# Altium PCB PCBfly.PcbDoc
Units mm, origin at the board's own origin, x right, y up, seen from the top; angles counter-clockwise.
Board outline 77 x 77 mm, 2 copper layers (Top Layer, Bottom Layer); 68 components, 50 nets, 250 pads, 170 vias.
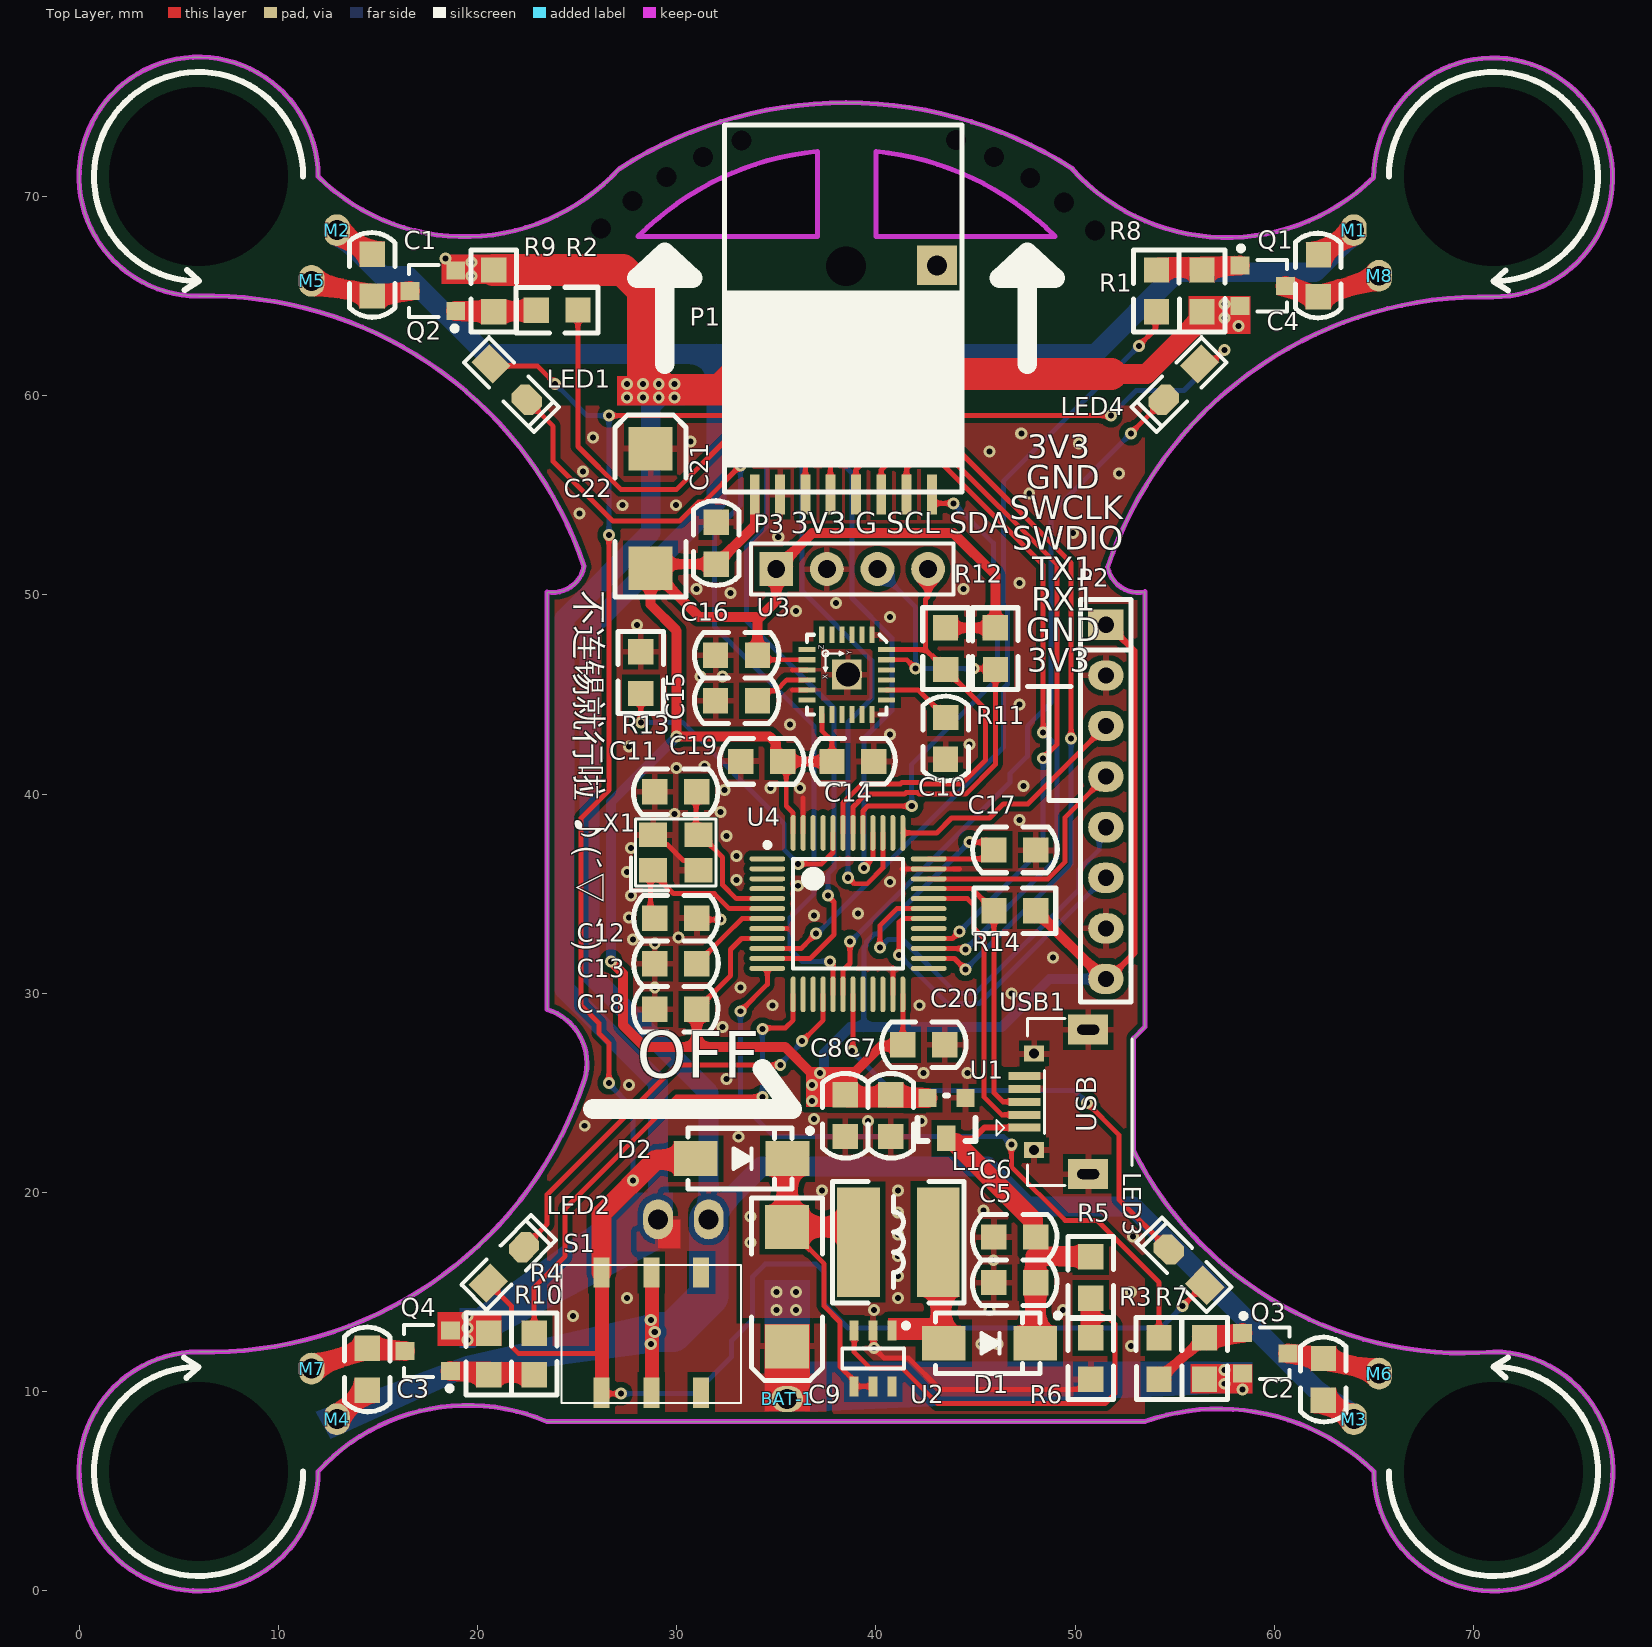
[diagram p0: Top Layer view]
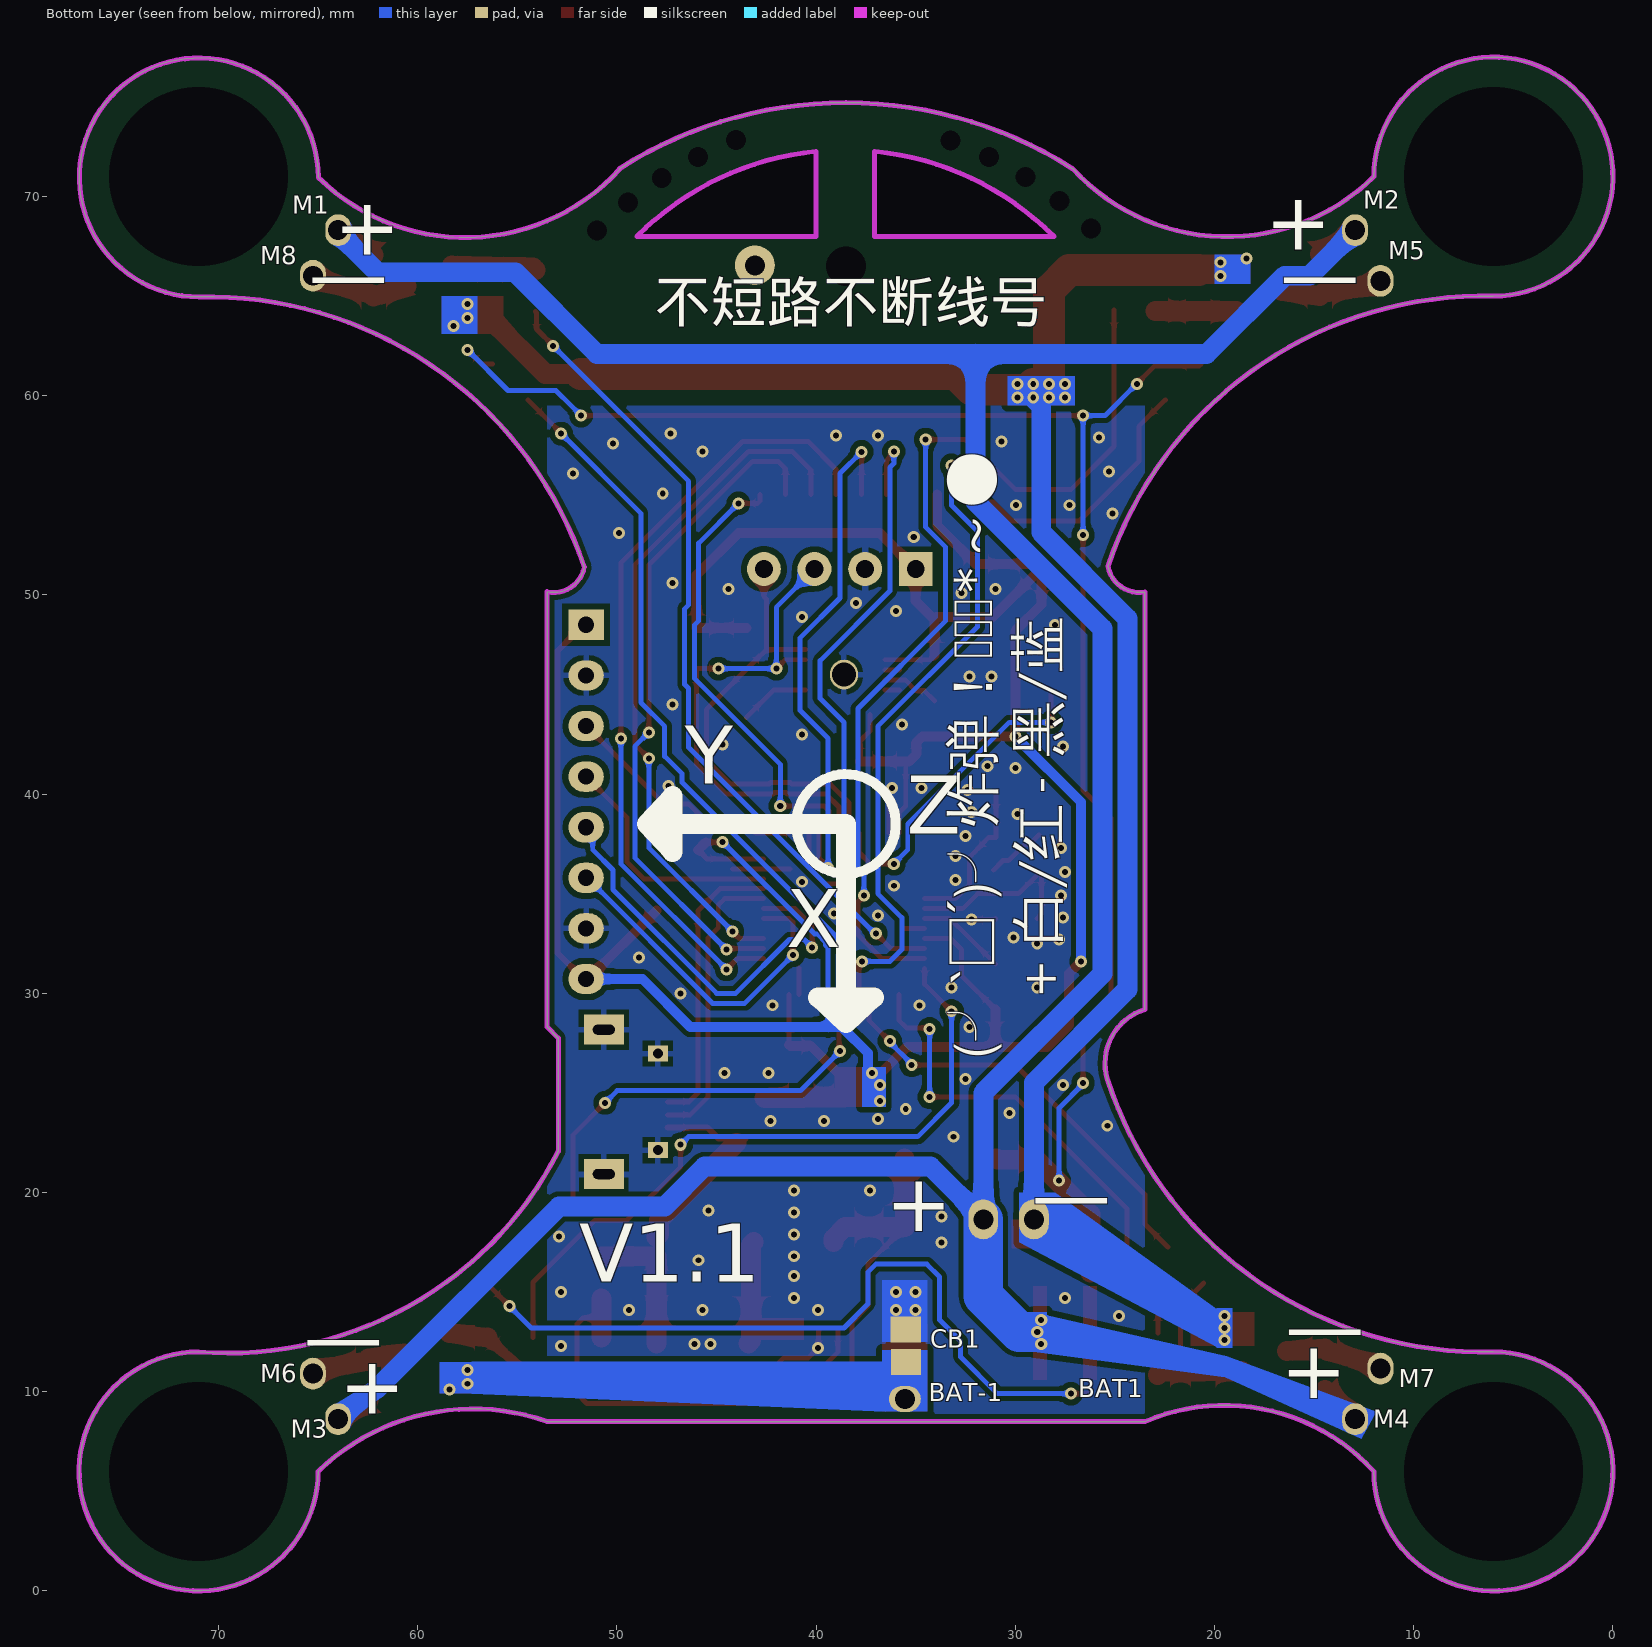
[diagram p1: Bottom Layer view, seen from below]

## Layer stack, top to bottom
Top Solder: solder mask 0.0102, Solder Resist, Dk 3.5
Top Layer: signal copper 0.0356
Dielectric 1: dielectric 0.32, FR-4, Dk 4.8
Bottom Layer: signal copper 0.0356
Bottom Solder: solder mask 0.0102, Solder Resist, Dk 3.5

## Board outline
12,6 cw(c19.511,-0.852) 23.5,8.5 53.5,8.5 cw(c57.231,-2.038) 65,6 ccw(c71,6) 71,12 cw(c69.511,30.556) 52.943,22.069 52.943,27.748 53.5,28.305 53.5,50.159 cw(c53.168,51.678) 51.639,51.395 cw(c70.506,45.063) 70.989,64.959 ccw(c70.989,70.959) 64.989,70.959 cw(c57.622,78.436) 49.867,71.362 49.878,71.403 ccw(c38.5,53.5) 27.122,71.403 cw(c19.367,78.478) 12,71 ccw(c6,71) 6,65 cw(c6.483,45.104) 25.35,51.436 cw(c23.771,51.728) 23.5,50.145 23.5,29.188 cw(c22.665,26.482) 25.378,25.668 cw(c6.488,31.879) 6,12 ccw(c6,6)
cut-out: 28.059,68 cw(c38.559,57.5) 37.059,72.273 37.059,68
cut-out: 40,68 49,68 ccw(c38.5,57.5) 40,72.273
cut-out: 37.059,68 37.059,72.276 37.032,72.276 ccw(c38.5,57.5) 28,68
cut-out: 40,72.273 cw(c38.5,57.5) 49,68 40,68

## Design rules (kind name [scope] priority, off if disabled: settings)
Clearance [All] p1: gap=0.3 ignorepadtopadclearanceinfootprint=TRUE except(0: Arc-Text Arc-Hole Track-Text Track-Hole SMDPad-Text SMDPad-Hole THPad-Text THPad-Hole Via-Text Via-Hole Fill-Text Fill-Hole Poly-Text Poly-Hole Region-Text Region-Hole Text-Text Text-Hole; 0.25: Arc-Arc Arc-Track Arc-SMDPad Arc-THPad Arc-Via Arc-Fill Arc-Poly Arc-Region Track-Track Track-SMDPad Track-THPad Track-Via Track-Fill Track-Poly Track-Region)
ComponentClearance [All] p1 off: gap=0.254 collisioncheckmode=3 verticalgap=0.254 showdistances=FALSE
Height [All] p1 off: minheight=0 maxheight=25.4 prefheight=12.7
PasteMaskExpansion [All] p1 off: expansion=0
PlaneClearance [All] p1 off: clearance=0.508
PlaneConnect [All] p1 off: planeconnectstyle=Relief reliefexpansion=0.508 reliefentries=4 reliefconductorwidth=0.254 reliefairgap=0.254
PolygonConnect [All] p1: thpad.connectstyle=Relief thpad.reliefconductorwidth=0.3 thpad.reliefentries=4 thpad.polygonreliefangle="90 Angle" thpad.airgapwidth=0.25 smdpad.connectstyle=Relief smdpad.reliefconductorwidth=0.3 smdpad.reliefentries=4 smdpad.polygonreliefangle="90 Angle" smdpad.airgapwidth=0.25 via.connectstyle=Direct via.reliefconductorwidth=0.254 via.reliefentries=4 via.polygonreliefangle="90 Angle" via.airgapwidth=0.254
RoutingCorners [All] p1: cornerstyle=45-Degree minsetback=2.5 maxsetback=2.5
RoutingVias [All] p1: holewidth=0.3 width=0.6 viastyle="Through Hole" minholewidth=0.3 minwidth=0.6 maxholewidth=1 maxwidth=2
SolderMaskExpansion [All] p1 off: expansion=0.102 istentingtop=FALSE
Width [All] p1: maxlimit=10 minlimit=0.25 preferedwidth=0.25
24 further rules are at their usual default settings.

## Components (designator, comment, footprint, x,y, rotation, side; value= is the part's Value field where it differs from the comment)
BAT1 "Header 2" HDR2 31.607,18.653 r270 bottom
BAT-1 "Header 1" 电池接口 35.544,9.636 r90 top
C1 "100nF" 0805C 14.717,66.058 r90 top
C2 "100nF" 0805C 62.467,10.618 r270 top
C3 "100nF" 0805C 14.461,11.126 r270 top
C4 "100nF" 0805C 62.214,66.024 r90 top
C5 "100nF" 0805C 46.974,15.478 r180 top
C6 "10uF" 0805C 46.974,17.764 r180 top
C7 "10uF" 0805C 40.751,23.86 r270 top
C8 "100nF" 0805C 38.465,23.86 r270 top
C9 "10uF" CTan(6032) 35.544,15.272 r90 top
C10 "2.2nF" 0805C 43.5,42.8 r270 top
C11 "15pF" 0805C 29.956,40.116 r180 top
C12 "15pF" 0805C 29.956,33.766 r0 top
C13 "100nF" 0805C 29.956,31.48 r0 top
C14 "100nF" 0805C 38.846,41.64 r0 top
C15 "100nF" 0805C 33.004,44.688 r0 top
C16 "10nF" 0805C 33.004,46.974 r0 top
C17 "100nF" 0805C 46.974,37.195 r0 top
C18 "100nF" 0805C 29.956,29.194 r180 top
C19 "100nF" 0805C 34.274,41.64 r180 top
C20 "100nF" 0805C 42.402,27.416 r0 top
C21 "100nF" 0805C 31.989,52.596 r90 top
C22 "10uF" CTan(6032) 28.686,54.34 r270 top
CB1 "Circuit Breaker" JUMP 35.5,12.3 r270 bottom
D1 "SS34" SMA 45.704,12.43 r0 top
D2 "SS34" SMA 33.258,21.701 r0 top
L1 "10uH" CD53 41.132,17.51 r0 top
LED1 "LED" "LED 0805W" 21.574,60.69 r315 top
LED2 "LED" "LED 0805W" 21.438,16.358 r45 top
LED3 "LED" "LED 0805W" 55.61,16.24 r135 top
LED4 "LED" "LED 0805W" 55.356,60.69 r225 top
M1 "Header 1" 电池接口 63.992,68.31 r180 top
M2 "Header 1" 电池接口 12.938,68.31 r180 top
M3 "Header 1" 电池接口 63.992,8.62 r180 top
M4 "Header 1" 电池接口 12.938,8.62 r180 top
M5 "Header 1" 电池接口 11.668,65.77 r180 top
M6 "Header 1" 电池接口 65.262,10.906 r180 top
M7 "Header 1" 电池接口 11.668,11.16 r180 top
M8 "Header 1" 电池接口 65.262,66.024 r180 top
P1 "NRF24L01模块" 2.4G 38.5,63.5 r90 top
P2 "Header 8" HDR8 51.546,48.498 r0 top
P3 "Header 4" HDR2.54-LI-4P 35,51.3 r0 top
Q1 "2302" NMOS 59.42,65.516 r270 top
Q2 "2302" NMOS 17.764,65.262 r90 top
Q3 "2302" NMOS 59.547,11.922 r270 top
Q4 "2302" NMOS 17.51,12.049 r90 top
R1 "100R" 0805R 54.086,65.262 r270 top
R2 "100R" 0805R 24,64.3 r0 top
R3 "100R" 0805R 54.213,11.668 r90 top
R4 "100R" 0805R 22.847,11.893 r90 top
R5 "22k" 0805R 50.784,15.732 r270 top
R6 "3k" 0805R 50.784,11.668 r90 top
R7 "10K" 0805R 56.499,11.668 r90 top
R8 "10K" 0805R 56.372,65.262 r90 top
R9 "10K" 0805R 20.812,65.262 r270 top
R10 "10K" 0805R 20.561,11.893 r270 top
R11 "4k7" 0805R 46,47.3 r270 top
R12 "4k7" 0805R 43.5,47.3 r270 top
R13 "10k" 0805R 28.2,46.1 r90 top
R14 "1k" 0805R 46.974,34.147 r180 top
S1 "SW-SPDT" SWITCH 28.726,12.963 r180 top
U1 "662K" LDO 43.545,23.733 r90 top
U2 "SX1308" SOT23-6L 39.862,11.668 r180 top
U3 "MPU6050" QFN24 38.537,45.997 r90 top
U4 "STM32F103C8T6" LQFP48 38.6,34 r0 top
USB1 "USB" USB_micro 50.657,24.553 r90 top
X1 "8MHz" XTAL_3225-4P 29.956,37.068 r0 top

## Footprints (in the part's own frame and the unit in brackets; to place one, negate y for a bottom-side part, rotate by r counter-clockwise, add the part's x,y. Pads: shape width x height; smd on the part's side, far side on the other; paste and mask are expansions set on the pad)
2.4G [mm]
  rect 2x2 smd: 0(3.048,-4.572)
  rect 2x0.5 smd: 1(-8.46,4.581) 2(-8.46,3.311) 3(-8.46,2.041) 4(-8.46,0.771) 5(-8.46,-0.499) 6(-8.46,-1.769) 7(-8.46,-3.039) 8(-8.46,-4.309)
  silkscreen extent -8.33,-5.84 10.08,6.1, body extent -8.51,-5.82 9.49,6.18, height 0.8
0805C [mm]
  rect 1.27x1.27 smd: 1(-1.05,0.001) 2(1.05,-0.001)
  silkscreen extent -2.12,-1.14 2.13,1.14, body extent -1,-0.62 1,0.63, height 0.77
0805R [mm] "1/8W"
  rect 1.27x1.27 smd: 1(-1.045,-0.003) 2(1.045,0.003)
  silkscreen extent -2.06,-1.15 2.05,1.15, body extent -1.01,-0.62 0.99,0.64, height 0.55
CD53 [mm] "5.8*5.2*3.5mm（长宽高）"
  rect 2.15x5.5 smd: 1(-2,0) 2(2,0)
  silkscreen extent -3.3,-3.05 3.3,3.05, body extent -2.87,-2.5 2.87,2.5, height 3.6
CTan(6032) [mm] "长6.0mm，宽3.2mm，厚2.5mm"
  rect 2.2x2.2 smd: 1(-3,0) 2(3,0)
  silkscreen extent -4.7,-1.78 4.44,1.78, body extent -3,-1.6 3,1.6, height 2.5
HDR2 [mm]
  oval 2x1.5 hole 1: 1(0,0) 2(0,2.54)
  body extent -0.36,-1.28 9.99,3.8, height 2.54
HDR2.54-LI-4P [mm] "排针，4脚"
  rect 1.7x1.7 hole 0.9: 1(0,0)
  round 1.7 hole 0.9: 2(2.54,0) 3(5.08,0) 4(7.62,0)
  silkscreen extent -1.27,-1.27 8.89,1.27, body extent -1.27,-1.27 8.89,1.27, height 8.5
HDR8 [mil]
  rect 70x60 hole 32: 1(0,0)
  oval 70x60 hole 32: 2(0,-100) 3(0,-200) 4(0,-300) 5(0,-400) 6(0,-500) 7(0,-600) 8(0,-700)
  silkscreen extent -50,-745 50,50, body extent -50,-750 50,50, height 336
JUMP [mm]
  rect 1.3x1.5 smd: 1(0.814,0.004)
  rect 1.3x1.524 smd: 2(-0.814,-0.003)
LDO [mil]
  rect 36x36 smd: 1(40,-37.5) 2(40,37.5)
  rect 50x36 smd: 3(-40,0.5)
  silkscreen extent -45,-58 45,58, body extent -45,-57 53,58, height 39
"LED 0805W" [mil] "白色0805LED"
  rect 60x50 smd: 1(-50,0)
  oct 60x50 smd: 2(50,0)
  silkscreen extent -90,-35 105,35, body extent -39,-25 39,25, height 32
LQFP48 [mm]
  oval 1.8x0.25 smd: 1(-4.05,2.75) 2(-4.05,2.25) 3(-4.05,1.75) 4(-4.05,1.25) 5(-4.05,0.75) 6(-4.05,0.25) 7(-4.05,-0.25) 8(-4.05,-0.75) 9(-4.05,-1.25) 10(-4.05,-1.75) 11(-4.05,-2.25) 12(-4.05,-2.75) 25(4.05,-2.75) 26(4.05,-2.25) 27(4.05,-1.75) 28(4.05,-1.25) 29(4.05,-0.75) 30(4.05,-0.25) 31(4.05,0.25) 32(4.05,0.75) 33(4.05,1.25) 34(4.05,1.75) 35(4.05,2.25) 36(4.05,2.75)
  oval 0.25x1.8 smd: 13(-2.75,-4.05) 14(-2.25,-4.05) 15(-1.75,-4.05) 16(-1.25,-4.05) 17(-0.75,-4.05) 18(-0.25,-4.05) 19(0.25,-4.05) 20(0.75,-4.05) 21(1.25,-4.05) 22(1.75,-4.05) 23(2.25,-4.05) 24(2.75,-4.05) 37(2.75,4.05) 38(2.25,4.05) 39(1.75,4.05) 40(1.25,4.05) 41(0.75,4.05) 42(0.25,4.05) 43(-0.25,4.05) 44(-0.75,4.05) 45(-1.25,4.05) 46(-1.75,4.05) 47(-2.25,4.05) 48(-2.75,4.05)
  silkscreen extent -4.17,-2.75 2.75,3.57, body extent -4.49,-4.51 4.52,4.5, height 1.45
NMOS [mm]
  rect 0.9x0.95 smd: 1(-1.016,-1.143) 2(0,1.143) 3(1.016,-1.143)
  silkscreen extent -2.01,-1.22 1.29,1.21, body extent -1.44,-1.25 1.48,1.23, height 1
QFN24 [mil]
  rect 33.46x10 smd: 1(78.87,-49.87) 2(78.87,-30.03) 3(78.87,-10.19) 4(78.87,9.66) 5(78.87,29.5) 6(78.87,49.34) 13(-78.87,49.34) 14(-78.87,29.5) 15(-78.87,9.66) 16(-78.87,-10.19) 17(-78.87,-30.03) 18(-78.87,-49.87)
  rect 10x33.46 smd: 7(49.34,78.87) 8(29.5,78.87) 9(9.66,78.87) 10(-10.19,78.87) 11(-30.03,78.87) 12(-49.87,78.87) 19(-49.87,-78.87) 20(-30.03,-78.87) 21(-10.19,-78.87) 22(9.66,-78.87) 23(29.5,-78.87) 24(49.34,-78.87)
  rect 59.06x59.06 smd: 18(0,0)
  silkscreen extent -79,-79 79,79, body extent -79,-79 79,79, height 35
SMA [mm] "4.5x2.6*2.2mm（长宽高，不包括引脚）"
  rect 2.2x1.75 smd: 1(-2.3,0) 2(2.3,0)
  silkscreen extent -2.7,-1.52 3.56,1.52, body extent -2.53,-1.3 2.58,1.3, height 2.15
SOT23-6L [mm] "3x1.6x1.1mm(长宽高)"
  rect 0.45x1 smd: 1(-0.95,-1.397) 2(0,-1.397) 3(0.95,-1.397) 4(0.95,1.397) 5(0,1.397) 6(-0.95,1.397)
  silkscreen extent -1.78,-1.78 1.55,0.51, body extent -1.5,-1.4 1.5,1.4, height 1.15
SWITCH [mil]
  rect 31.5x60 smd: 1(-98.43,119) 1(-98.43,-119) 2(0,119) 2(0,-119) 3(98.43,119) 3(98.43,-119)
  silkscreen extent -177,-134 178,139, body extent -178,-134 179,138, height 215
USB_micro [mm] "micro型USB ，5.7*7.8*2.5mm"
  rect 0.4x1.6 smd mask+0.102: 1(-1.3,3.2) 2(-0.65,3.2) 3(0,3.2) 4(0.65,3.2) 5(1.3,3.2)
  rect 1.5x2 hole 0.5 slot 1.1 at 90 deg: 5(-3.625,0) 5(3.625,0)
  rect 0.8x1 hole 0.5: 5(-2.425,2.71) 5(2.425,2.71)
  silkscreen extent -4.19,-2.2 4.19,4.6, body extent -4,-2.71 4,2.89, height 2.8
XTAL_3225-4P [mil] "3.2*2.5*0.7mm(长宽高)"
  rect 56x48 smd: 1(-45,-35) 2(-45,35) 2(45,-35) 3(45,35)
  silkscreen extent -89,-75 80,66, body extent -63,-49 63,49, height 28
电池接口 [mm]
  oval 1.3x1.6 hole 1: 1(0,0)

## Part data
BAT1: "Header, 2-Pin", LatestRevisionDate=17-Jul-2002, LatestRevisionNote="Re-released for DXP Platform.", Publisher="Altium Limited"
C1 C2 C3 C4 C5 C6 C7 C8 C10 C11 C12 C13 C14 C15 C16 C17 C18 C19 C20 C21: library part Cap_MLCC, "Capacitor"
C9 C22: library part "Cap Tan A", "Capacitor", Voltage=16V, Published=8-Jun-2000, Publisher="Altium Limited", Revision="July-2002: Re-released for DXP Platform."
D1 D2: library part DIODE
L1: library part "Inductor Chip", "Inductor", Published=8-Jun-2000, Publisher="Altium Limited", Revision="July-2002: Re-released for DXP Platform."
P1 P2: "Header, 8-Pin", LatestRevisionDate=17-Jul-2002, LatestRevisionNote="Re-released for DXP Platform.", Publisher="Altium Limited"
P3: "Header, 4-Pin", LatestRevisionDate=17-Jul-2002, LatestRevisionNote="Re-released for DXP Platform.", Publisher="Altium Limited"
Q1 Q2 Q3 Q4: library part N_MOS, "N-Channel Power MOSFET"
R1 R2 R3 R4 R5 R6 R7 R8 R9 R10 R11 R12 R13 R14: library part Res, "Resistor", LatestRevisionDate=17-Jul-2002, LatestRevisionNote="Re-released for DXP Platform.", PackageDescription="Axial Device, Thru-Hole; 2 Leads; 0.3 in Pin Spacing", PackageReference=0603_R, Published=8-Jun-2000, Publisher="Altium Limited"
S1: "SPDT Subminiature Toggle Switch, Right Angle Mounting, Vertical Actuation", ComponentLink1Description="Manufacturer Link", ComponentLink1URL=http://www.apem.com, DatasheetVersion=05-Dec-2000, LatestRevisionDate=17-Dec-2003, LatestRevisionNote="Schematic revised, PCB Footprint replaced.", PackageDescription="Switch; 4 Leads", PackageReference=TL36WW15050, Published=24-Mar-1999, Publisher="Altium Limited"
U1: library part LDO, "LDO"
X1: library part XTAL_SMT
CB1: LatestRevisionDate=17-Jul-2002, LatestRevisionNote="Re-released for DXP Platform.", PackageReference=SPST-2, Published=24-Mar-1999, Publisher="Altium Limited"

## Free pads (board coordinates)
  round 0 hole 9 unplated: 0(6,6) 0(6,71) 0(71,6) 0(71,71)
  round 0 hole 2 unplated: 0(38.5,66.5)
  round 2 hole 1: 0(43.072,66.548)
  oval 1.4x1.5 hole 1.2: 3(38.6,46)
  round 0 hole 1 unplated: 10(33.253,72.807) 11(31.326,71.989) 12(29.495,70.974) 13(27.78,69.773) 14(26.2,68.4) 15(51,68.3) 16(49.444,69.701) 17(47.751,70.931) 18(45.938,71.978) 19(44.025,72.829)

## Via types
v1: diameter 0.6, hole 0.3, Top Layer to Bottom Layer, tented both sides, 144 vias
v2: diameter 0.61, hole 0.305, Top Layer to Bottom Layer, tented both sides, 26 vias

## Nets (pads, with @x,y where several pads share a name; then routed paths per layer and width w, separated by ;. In a path a pad name is that pad's centre, name@x,y a point inside that pad or via, vN(x,y) a via of type N, cw(c..) or ccw(c..) an arc to the next point about the centre after c; other vN are vias at no path point)
3V3: C7.1 C8.1 C14.1 C16.2 C17.1 C18.1 C19.1 C20.1 C21.1 C22.2 P1.1 P2.1 P2.8 P3.1 R11.1 R12.1 R14.1 U1.2 U3.8 U3.13 U4.9 U4.24 U4.36 U4.48 | length 167.1
  Top Layer w0.25: C18.1 32.7,30.886 32.7,32.2 33.25,32.75 U4.9 ; C16.2 34.281,46.746 U3.8 ; C19.1 35.5,41.463 35.5,39.4 35.85,39.05 U4.48 ; U3.13 37.284,43.176 37.796,42.665 C14.1 ; U4.24 41.35,27.419 C20.1 ; U4.36 45.477,36.75 C17.1 ; v1@44.719,37.581 C17.1@45.539,37.581
  Top Layer w0.3: P2.8 51.673,30.718 52.973,32.018 52.973,47.198 51.673,48.498 P2.1
  Top Layer w0.5: v1(26.7,31.6) 27.3,31 27.3,28.4 28.4,27.3 31.006,27.3 ; C18.1 31.006,27.3 ; P1.1 33.919,53.477 C21.1 28.892,51.546 C22.2 ; 33.969,48.9 31.126,48.9 C22.2 ; C16.2 34.054,48.754 35,49.7 P3.1 36.8,53.1 43.9,53.1 45.997,51.003 R11.1 R12.1 ; v2(36.8,24.6) v2(36.8,25.4) 36.8,26 36.75,26.05 36.7,26.05 35.45,27.3 31.006,27.3 ; C14.1 C14.1 C19.1 C19.1 34.962,42.001 34.962,42.607 34.669,42.9 v1(30,42.9) 30,48.2 28.686,49.514 C22.2 ; C8.1@38.484,24.928 38.804,25.248 38.804,25.904 40.26,27.36 41.294,27.36 C20.1 ; v1(44.7,37.6) v1@44.719,37.581 ; C17.1@45.539,37.581 C17.1 ; R14.1 51.451,30.718 P2.8
  Top Layer w1: C8.1@38.484,24.928 C8.1 38.601,24.775 40.601,24.775 40.628,24.749 U1.2
  Bottom Layer w0.25: 39.4,28.3 39.4,32.3 39.525,32.425 39.525,32.58 39.92,32.975 40.075,32.975 v1(44.7,37.6)
  Bottom Layer w0.5: v1(26.7,31.6) 26.7,39.6 v1(30,42.9) ; v2(37.2,26) 37.35,26 37.4,26.05 37.4,27 38.7,28.3 39.4,28.3 46.3,28.3 48.718,30.718 P2.8
5V: C5.1 C6.1 D1.2 R5.1 U1.3 USB1.1 | length 17.7
  Top Layer w0.3: U1.3 44.2,22.717 44.906,22.717 45.442,23.253 USB1.1
  Top Layer w1: 44,22.5 47.889,18.611 47.889,17.898 C6.1 ; D1.2 48.014,12.44 48.014,16.8 50.759,16.8 R5.1
B10: U4.21
B11: U4.22
BOOT0: R13.1 U4.44 | length 16
  Top Layer w0.25: v1(28.2,43.6) 28.2,45.052 R13.1 ; v2(36.1,36.5) 37.282,36.5 37.85,37.068 U4.44
  Bottom Layer w0.25: v1(28.2,43.6) 30.3,43.6 35.4,38.5 35.4,37.2 v2(36.1,36.5)
BOOT1: U4.20
CE: P1.3 U4.39 | length 29.7
  Top Layer w0.25: v1(36.1,57.2) 36.1,57.105 36.459,56.746 P1.3 ; v2(38.6,35.8) 38.626,35.8 38.926,35.5 39.561,35.5 40.35,36.289 U4.39
  Bottom Layer w0.25: v1(36.1,57.2) 36.1,56.6 36.3,56.4 36.3,50.2 39.8,46.7 39.8,44.8 38.6,43.6 v2(38.6,35.8)
CSN: P1.4 U4.40 | length 26.8
  Top Layer w0.25: v1(37.715,57.185) 37.715,55.055 P1.4 ; v2(39.4,36.3) 39.4,36.325 39.85,36.775 U4.40
  Bottom Layer w0.25: v1(37.715,57.185) 38.8,56.1 38.8,49.845 40.8,47.845 40.8,44.2 39.4,42.8 v2(39.4,36.3)
DGND: C5.2 C6.2 C7.2 C8.2 C10.2 C11.2 C12.2 C13.1 C14.2 C15.1 C16.1 C17.2 C18.2 C19.2 C20.2 C21.2 C22.1 CB1.2 P1.2 P2.2 P2.7 P3.2 pad.3 R6.1 R13.2 U1.1 U2.2 U3.1 U3.9 U3.11 U3.18 U4.8 U4.23 U4.35 U4.47 USB1.4 USB1.5 X1.2 | length 25.5
  Top Layer w0.25: X1.2@28.813,37.957 29.298,37.472 29.528,37.472 30.336,36.664 30.614,36.664 X1.2@31.099,36.179 ; C12.2 31.006,33.7 v1(32.2,33.7) ; U4.8 35.532,33.25 ; 35.811,45.236 36.532,45.236 U3.11 ; 35.813,46.242 U3.9 ; U4.47 36.35,39.8 ; U2.2 39.881,13.046 39.881,12.219 v1(39.9,12.2) 40.4,11.7 41.629,11.7 43.216,10.113 50.277,10.113 R6.1 ; U4.23 40.85,31.28 ; 41.3,36.25 U4.35 44.2,36.25
  other v1: 45.3,12.4 24.8,13.8 35,14.1 36,14.1 45.7,14.1 49.4,14.1 27.5,14.7 41.1,14.7 35,15 36,15 52.8,15 41.1,15.8 45.9,16.6 41.1,16.8 33.7,17.5 41.1,17.9 33.7,18.8 41.1,19 45.4,19.1 41.1,20.1 33.1,22.8 25.384,23.352 39.6,23.6 42.3,23.6 36.9,23.7 35.5,24.2 27.6,25.4 32.5,25.7 42.4,26 44.6,26 32.3,28.3 34.8,29.4 42.2,29.4 46.8,30 28.9,30.3 33.2,30.3 48.9,31.8 28.9,32.5 27.8,32.7 30.1,32.8 27.6,33.8 36.9,33.9 39.1,34 27.7,34.9 36.1,35.4 40.7,35.6 33,35.7 27.5,36.1 33,36.9 27.7,37.3 32.5,37.9 47.2,38.7 29.9,39 32.2,39.1 32.4,40.2 34.7,40.3 36.2,40.3 47.4,40.4 30,41.3 31.4,41.4 27.6,42.4 44.7,42.5 40.7,43 35.7,43.5 47.2,44.5 31.2,45.9 32.3,45.9 28,48.5 40.7,48.9 36,49.2 38,49.6 32.7,50.1 31,50.3 44.4,50.3 47.2,50.6 49.9,53.1 25.13,54.086 27.284,54.502 29.972,54.502 47.7,55.1 25.3,56.2 45.7,57.2 30.7,57.7 25.8,57.9 36.9,58 39,58
  other v2: 52.8,12.3 46.1,12.4 39.9,14.1 52.9,17.8 37.3,20.1 30.3,24 35.1,52.9 52.2,56.1 50.2,57.6 47.3,58.1
GND: BAT1.2 BAT-1.1 C9.1 CB1.1 Q1.3 Q2.3 Q3.3 Q4.3 R7.1 R8.1 R9.1 R10.1 | length 86.8
  Top Layer w1: 51.962,61.1 53.6,61.1 56.24,63.74 56.24,64.082 R8.1
  Top Layer w1.6: R9.1 27.293,66.307 28.3,65.3 v1(28.3,60.6) ; v1(29.1,60.6) 29.4,60.3 32.2,60.3 33,61.1 51.8,61.1
  Bottom Layer w1: BAT1.2 29.067,25.511 24.377,30.201 24.377,48.823 28.7,53.146 28.7,59.5 v1(29.1,59.9)
  other v1: 58.4,10.1 57.5,10.4 57.5,11.1 19.5,12.6 19.5,13.2 19.5,13.8 27.5,59.9 28.3,59.9 29.9,59.9 27.5,60.6 29.9,60.6 58.2,63.5 57.5,63.9 57.5,64.6 19.7,66 19.7,66.7 18.4,66.9
IRQ: P1.8 U4.41 | length 23
  Top Layer w0.25: U4.41 39.35,39.15 39.6,39.4 v2(41.8,39.4) ; P1.8 42.809,54.725 42.934,54.6 v1(43.9,54.6)
  Bottom Layer w0.25: v2(41.8,39.4) 41.8,41.5 46.1,45.8 46.1,48.5 45.9,48.7 45.9,52.6 v1(43.9,54.6)
LED1: LED1.2 U4.17 | length 46.8
  Top Layer w0.25: LED1.2 23.8,58.464 23.8,56.7 26.8,53.7 30.142,53.7 31.098,54.657 31.357,54.657 v2(33.2,56.5) ; v1(37.7,31.605) 37.85,31.455 U4.17
  Bottom Layer w0.25: v2(33.2,56.5) 33.2,54.5 31.9,53.2 31.9,48.4 36.9,43.4 36.9,35 35.7,33.8 35.7,32.2 36.295,31.605 v1(37.7,31.605)
LED2: LED2.2 U4.16 | length 22
  Top Layer w0.25: LED2.2 23.5,18.42 23.5,19.9 30,26.4 v1(35.2,26.4) ; v1(36.3,27.6) 37.35,28.65 U4.16
  Bottom Layer w0.25: v1(35.2,26.4) 35.2,26.45 36.3,27.55 v1(36.3,27.6)
LED3: LED3.2 U4.19 | length 24.8
  Top Layer w0.25: v2(38.8,27.1) 38.85,27.15 U4.19 ; v1(50.6,24.5) 52.2,22.9 52.2,19.65 LED3.2
  Bottom Layer w0.25: v2(38.8,27.1) 40.784,25.116 49.984,25.116 v1(50.6,24.5)
LED4: LED4.2 U4.18 | length 36.5
  Top Layer w0.25: U4.18 38.35,31.15 38.7,31.5 v2(38.7,32.6) ; v1(52.8,58.1) 52.8,58.117 54.458,59.775 LED4.2
  Bottom Layer w0.25: v2(38.7,32.6) 38.745,32.6 46.725,40.58 46.725,41.025 47.6,41.9 47.6,43.4 48.8,44.6 48.8,54.1 v1(52.8,58.1)
M1-: C4.1 M8.1 Q1.2 | length 5.1
  Top Layer w1: Q1.2 C4.1 62.348,65.109 65.262,65.874 M8.1
M2-: C1.1 M5.1 Q2.2 | length 5.2
  Top Layer w1: M5.1 11.668,65.62 14.581,65.143 C1.1 Q2.2
M3-: C2.1 M6.1 Q3.2 | length 4.8
  Top Layer w1: Q3.2 C2.1 62.603,11.533 65.262,11.056 M6.1
M4-: C3.1 M7.1 Q4.2 | length 5
  Top Layer w1: M7.1 11.668,11.31 14.327,12.041 C3.1 Q4.2
MISO: P1.7 U4.27 | length 33.8
  Top Layer w0.25: P1.7 41.539,56.339 41.9,56.7 43.2,56.7 48.4,51.5 v1(48.4,43.1) ; U4.27 44.45,32.25 v1(44.5,32.2)
  Bottom Layer w0.25: v1(44.5,32.2) 49.1,36.8 49.1,42.4 v1(48.4,43.1)
MOSI: P1.6 U4.28 | length 34.9
  Top Layer w0.25: P1.6 40.269,56.269 41.2,57.2 43.407,57.2 49.1,51.507 49.1,42.5 v1(48.4,41.8) ; U4.28 43.85,32.75 v1(44.2,33.1)
  Bottom Layer w0.25: v1(44.2,33.1) 48.4,37.3 v1(48.4,41.8)
NetC9_2: C9.2 D2.2 L1.1 U2.4 U2.5 | length 17.8
  Top Layer w0.25: C9.2 37.4,16.416 37.4,14.3 38.2,13.5 38.2,11.258 38.912,10.546 U2.4 U2.5
  Top Layer w1: D2.2 35.551,21.694 35.551,18.279 C9.2 38.557,18.272 39.132,17.697 L1.1
NetC10_1: C10.1 U3.20 | length 3.5
  Top Layer w0.25: U3.20 42.118,45.234 C10.1
NetC13_2: C13.2 U4.7 | length 4.5
  Top Layer w0.25: C13.2 32.41,32.882 33.278,33.75 U4.7
NetC15_2: C15.2 U3.10 | length 2.9
  Top Layer w0.25: C15.2 34.564,45.197 34.99,45.197 35.531,45.738 U3.10
NetD1_1: D1.1 L1.2 U2.1 | length 5.2
  Top Layer w1: L1.2 43.268,17.374 43.268,12.566 D1.1
NetQ1_1: Q1.1 R1.1 R8.2 | length 4.3
  Top Layer w1: R1.1 54.218,66.442 56.365,66.49 Q1.1
NetQ2_1: Q2.1 R2.1 R9.2 | length 4.1
  Top Layer w1: Q2.1 R2.1@22.966,64.246
NetQ3_1: Q3.1 R3.1 R7.2 | length 5
  Top Layer w0.5: R3.1 54.601,11.008 55.469,11.775 cw(c55.8,11.4) 55.474,11.779 56.111,12.328 R7.2
  Top Layer w1: R7.2 Q3.1
NetQ4_1: Q4.1 R4.1 R10.2 | length 4.3
  Top Layer w1: Q4.1 20.565,11.009 22.714,10.983 R4.1
NetR5_2: R5.2 R6.2 U2.3 | length 22.3
  Top Layer w0.25: U2.3 38.912,11.988 39.7,11.2 41.3,11.2 43.1,9.4 51.5,9.4 52,9.9 52,13.4 51.7,13.7 50.784,13.7
  Top Layer w1: R6.2 50.784,12.716 50.784,13.7 50.784,14.684 R5.2
OSC_IN: C11.1 U4.5 X1.3 | length 8
  Top Layer w0.25: C11.1 30.972,40.08 30.972,37.83 31.328,37.83 31.685,37.472 31.685,37.444 32.029,37.1 32.3,36.829 32.3,35.445 32.995,34.75 U4.5
OSC_OUT: C12.1 U4.6 X1.1 | length 9
  Top Layer w0.25: C12.1 28.686,33.987 28.686,36.052 28.788,36.052 29.84,35 31.893,35 32.643,34.25 U4.6
PA4: U4.14
PA5: U4.15
PWM1: R1.2 U4.10 | length 41.2
  Top Layer w0.25: U4.10 36.25,32.25 36.432,32.432 36.432,32.437 v1(36.995,33) ; v1@53.2,62.516 54.037,63.353 54.037,64.165 R1.2
  Bottom Layer w0.25: v1@37.061,33 46.4,42.339 46.4,45.3 46.6,45.5 46.6,49.3 46.4,49.5 46.4,55.7 v1(53.2,62.5)
PWM2: R2.2 U4.11 | length 49.4
  Top Layer w0.25: R2.2 25.045,57.455 27.2,55.3 30,55.3 32.5,57.8 v2(34.5,57.8) ; U4.11 36.705,31.75 37.9,32.945 37.9,33.725 37.9,34.579 37.6,34.879 v1(37.6,34.9)
  Bottom Layer w0.25: v2(34.5,57.8) 34.5,53.4 33.5,52.4 33.5,48.7 37.9,44.3 37.9,36.3 37.6,36 v1(37.6,34.9)
PWM3: R3.2 U4.12 | length 35.5
  Top Layer w0.25: v1(33.2,29.1) 34.55,30.45 U4.12 ; v2(46.8,22.4) 46.8,21.3 49.5,18.6 51.1,18.6 54.21,15.49 R3.2
  Bottom Layer w0.25: v1(33.2,29.1) 33.2,24.5 34.9,22.8 46.4,22.8 v2(46.8,22.4)
PWM4: R4.2 U4.13 | length 25.6
  Top Layer w0.25: R4.2 22.844,15.244 24.4,16.8 24.4,19.2 30,24.8 v1(34.3,24.8) ; v1(34.3,28.2) 34.367,28.267 35.467,28.267 35.85,28.65 U4.13
  Bottom Layer w0.25: v1(34.3,24.8) v1(34.3,28.2)
SCK: P1.5 U4.26 | length 39.8
  Top Layer w0.25: P1.5 38.999,56.299 40.4,57.7 43.7,57.7 49.8,51.6 v1(49.8,42.8) ; U4.26 43.95,31.75 v1(44.5,31.2)
  Bottom Layer w0.25: v1(44.5,31.2) 49.8,36.5 v1(49.8,42.8)
SCL: P3.3 R11.2 U3.23 U4.42 | length 25.6
  Top Layer w0.25: U4.42 38.85,39.357 39.493,40 41.439,40 41.518,40.08 42.082,40.08 42.161,40 44.507,40 46.003,41.495 R11.2 45.957,46.3 v1(44.9,46.3) ; U3.23 41.554,46.746 v1(42,46.3)
  Bottom Layer w0.25: P3.3 42,49.38 v1(42,46.3) v1(44.9,46.3)
SDA: P3.4 R12.2 U3.24 U4.43 | length 22.5
  Top Layer w0.25: U4.43 38.35,39.564 39.286,40.5 41.232,40.5 41.311,40.58 42.289,40.58 42.368,40.5 44.3,40.5 45.503,41.703 45.503,44.255 R12.2 42.507,47.25 ; U3.24 42.507,47.25 ; P3.4 42.62,49.92 42.487,49.787 42.487,47.27 42.507,47.25
SW_BAT: D2.1 LED1.1 LED2.1 LED3.1 LED4.1 S1.3 | length 135.8
  Top Layer w0.25: LED2.1 21.7,14.3 21.7,12.282 22.054,11.928 26.172,11.928 ; LED1.1 20.766,61.498 23.002,61.498 v1(23.9,60.6) ; S1.3@26.226,9.941 26.267,9.9 v1(27.2,9.9) ; v1(26.6,25.5) 26.6,27.5 26.1,28 26.1,28.5 25.204,29.396 25.204,38.804 26.6,40.2 v1(26.6,53) ; v1(26.6,59) v1(51.8,59) ; v1(55.4,14.3) 56.442,15.342 LED3.1 ; LED4.1 56.788,61.588 v1(57.5,62.3)
  Top Layer w1: S1.3@26.226,15.986 26.226,18.926 28.944,21.644 30.901,21.644 D2.1
  Bottom Layer w0.25: v1(23.9,60.6) 25.5,59 v1(26.6,59) v1(26.6,53) ; v1(26.6,25.5) 26.6,25.445 27.8,24.245 v2(27.8,20.6) ; v1(27.2,9.9) 30.9,9.9 32.75,11.75 32.75,12.55 33.8,13.6 33.8,15.759 34.441,16.4 37,16.4 37.4,16 37.4,14.4 38.6,13.2 54.3,13.2 v1(55.4,14.3) ; v1(51.8,59) 52.316,59.516 53.067,60.267 55.467,60.267 v1(57.5,62.3)
SWCLK: P2.3 U4.37 | length 12.4
  Top Layer w0.25: U4.37 43.05,38.05 43.8,38.8 45.7,38.8 46.4,39.5 47.628,39.5 P2.3
SWDIO: P2.4 U4.34 | length 12.3
  Top Layer w0.25: U4.34 48.65,35.75 49.5,36.6 49.5,38.832 P2.4
UART1_RX: P2.5 U4.31 | length 21
  Top Layer w0.25: v1(40.2,32.3) 40.2,33.4 41.05,34.25 U4.31
  Bottom Layer w0.25: v1(40.2,32.3) 40.6,32.7 41.339,32.7 44.039,30 44.993,30 50.2,35.207 50.2,36.187 51.214,37.201 51.214,38.006 P2.5
UART1_TX: P2.6 U4.30 | length 17.1
  Top Layer w0.25: v1(41.167,31.918) 41.17,31.92 41.17,33.57 41.35,33.75 U4.30
  Bottom Layer w0.25: v1(41.167,31.918) 43.585,29.5 45.2,29.5 P2.6@51.498,35.798
USBD+: R14.2 U4.33 USB1.3 | length 14.5
  Top Layer w0.25: U4.33 44.823,35.25 R14.2 ; R14.2@45.929,34.017 45.929,25.007 46.383,24.553 USB1.3
USBD-: U4.32 USB1.2 | length 14.6
  Top Layer w0.25: U4.32 44.593,34.75 44.913,34.43 44.913,33.287 45.421,32.779 45.421,24.803 46.321,23.903 USB1.2
VBAT: BAT1.1 C1.2 C2.2 C3.2 C4.2 M1.1 M2.1 M3.1 M4.1 S1.2 | length 159.2
  Top Layer w1: M4.1 12.938,8.77 14.324,9.94 C3.2 ; M2.1 12.938,68.16 14.584,67.244 C1.2 ; C4.2 62.35,67.209 63.992,68.16 M1.1 ; C2.2 M3.1
  Bottom Layer w1: M2.1 12.938,68.241 13.169,68.01 13.238,68.01 15.224,66.024 16.476,66.024 20.4,62.1 32,62.1 ; BAT1.1 BAT1.1@31.607,18.768 ; M3.1 63.992,8.77 62.056,10.144 52.9,19.3 47.6,19.3 45.6,21.3 34.254,21.3 31.953,18.999 31.838,18.999 BAT1.1@31.607,18.768 ; M1.1 63.992,68.16 62.032,66.2 55.1,66.2 51,62.1 32,62.1 ; BAT1.1@31.607,18.768 31.607,25.003 25.627,30.983 25.627,48.305 32,54.678 32,62.1
  Bottom Layer w2: v2(28.9,13) 29.8,13 31.607,14.807 BAT1.1
  other v2: 28.7,12.4 28.7,13.6
pads on no net: P1.0 S1.1 U2.6 U3.2 U3.3 U3.4 U3.5 U3.6 U3.7 U3.12 U3.14 U3.15 U3.16 U3.17 U3.19 U3.21 U3.22 U4.1 U4.2 U4.3 U4.4 U4.25 U4.29 U4.38 U4.45 U4.46

## Polygon pours and split planes (outlines as drawn)
DGND on Top Layer "DGND_L01_P005" (solid, remove dead copper, pour order 5): 53.5,59.5 23.5,59.5 23.5,8.5 53.5,8.5
GND on Top Layer "GND_L01_P004" (solid, remove dead copper, pour order 4): 37.5,13.4 33,13.4 33,20 28,20 28,9 37.5,9
DGND on Bottom Layer "DGND_L02_P006" (solid, remove dead copper, pour order 6): 53.5,59.5 23.5,59.5 23.5,8.5 53.5,8.5

## Keep-outs
Keep-Out Layer:
  lines w0.25: 6,12 ccw(c6.488,31.879) 25.378,25.668 ; 6,65 cw(c6.483,45.104) 25.35,51.436 ; 12,6 cw(c19.511,-0.852) 23.5,8.5 ; 12,71 ccw(c19.367,78.478) 27.122,71.403 ; 49.867,71.362 ccw(c57.622,78.436) 64.989,70.959 ; 51.639,51.395 cw(c70.506,45.063) 70.989,64.959 ; 52.943,22.069 ccw(c69.511,30.556) 71,12 ; 53.5,8.5 cw(c57.231,-2.038) 65,6 ; 28.059,68 cw(c38.559,57.5) 37.059,72.273 37.059,68 28.059,68 ; 40,68 40,72.273 cw(c38.5,57.5) 49,68 40,68
  lines w0.254: 6,12 ccw(c6,6) 12,6 ; 6,65 cw(c6,71) 12,71 ; 23.5,8.5 53.5,8.5 ; 25.35,51.436 cw(c23.771,51.728) 23.5,50.145 23.5,29.188 cw(c22.665,26.482) 25.378,25.668 ; 27.122,71.403 cw(c38.5,53.5) 49.878,71.403 ; 51.639,51.395 ccw(c53.168,51.678) 53.5,50.159 53.5,28.305 52.943,27.748 52.943,22.069 ; 64.989,70.959 cw(c70.989,70.959) 70.989,64.959 ; 65,6 ccw(c71,6) 71,12

## Other copper
Top Layer:
  rectangle net 3V3: 36.5,24.3 38.9,26.3
  rectangle net GND: 27,59.5 30.4,61
  rectangle net GND: 29.067,17.2 30.2,18.653
  rectangle net GND: 55.7,63.1 58.8,65
  rectangle net GND: 18.2,65.6 21.5,67.1
  rectangle net GND: 55.8,9.9 58.9,11.4
  rectangle net GND: 18,12.3 21.2,14
  rectangle net GND: 34.4,9 36.7,13.4
  rectangle net NetD1_1: 40.6,12.6 42.9,13.7
  rectangle net SW_BAT: 25.9,10.6 26.6,15.3
  rectangle net VBAT: 28.4,10.6 29.1,15.3
Bottom Layer:
  rectangle net 3V3: 36.5,24.3 37.7,26.3
  rectangle net GND: 27,59.5 30.4,61
  rectangle net GND: 57,63.1 58.8,65
  rectangle net GND: 18.2,65.6 20,67.1
  rectangle net GND: 57.1,9.9 58.9,11.5
  rectangle net GND: 19.1,12.2 19.9,14.2
  region net DGND: 36.7,15.6 34.4,15.6 34.4,12.5 36.7,12.5
  rectangle net GND: 34.4,9 36.7,12.1
  rectangle net VBAT: 28.4,12 29.1,14
  region net VBAT: 19.452,10.737 12.642,7.634 11.871,9.001 19.383,11.773 29.1,14 29.1,12
  region net GND: 19.8,12.2 29.8,17.5 29.8,20 28,20 19.8,14.1
  region net GND: 36.5,9 57.3,9.9 57.3,11.5 36.5,11.5

## Silkscreen, mask and mechanical layers (free items; w line width, h text height)
Top Overlay:
  lines w0.25: 47.6,45.4 49.8,45.4 ; 48.7,45.4 48.7,39.672 50.276,39.672
  lines w0.305: 5.258,11.716 5.997,11.244 5.385,10.7 ; 5.286,65.298 6.025,65.769 5.413,66.314 ; 6,11.25 ccw(c6,6) 11.25,6 ; 6,65.75 cw(c6,71) 11.25,71 ; 65.75,6 ccw(c71,6) 71,11.25 ; 65.75,71 cw(c71,71) 71,65.75 ; 71.612,66.294 71,65.75 ; 71.616,10.705 71.004,11.249 71.743,11.721 ; 71.739,65.278 71,65.75
  lines w1: 25.8,24.2 35.8,24.2 34.3,26.2 ; 29.4,61.6 29.4,67.2 ; 47.6,61.6 47.6,67.2 ; 29.4,67.2 30.8,65.9 28,65.9 29.4,67.2 ; 47.6,67.2 46.2,65.9 49,65.9 47.6,67.2
  text "3V3" at 47.608,56.471 h2
  text "GND" at 47.561,54.94 h2
  text "SWCLK" at 46.725,53.407 h2
  text "3V3 G SCL SDA" at 35.723,52.75 h1.8
  text "SWDIO" at 46.858,51.874 h2
  text "TX1" at 47.842,50.342 h2
  text "不连锡就行啦 ♪(´▽｀)" at 24.57,50.219 h2.2 r270
  text "RX1" at 47.81,48.811 h2
  text "GND" at 47.561,47.279 h2
  text "3V3" at 47.608,45.746 h2
  text "OFF" at 28.001,24.99 h4
Bottom Overlay:
  circle w0.5: c38.5,38.5 r2.5
  lines w1: 38.5,28.5 37.1,29.8 39.9,29.8 38.5,28.5 ; 38.5,28.5 38.5,38.5 48.5,38.5 ; 48.5,38.5 47.2,39.9 47.2,37.1 48.5,38.5
  text "+" at 14.109,66.366 h5
  text "+" at 60.845,66.112 h5
  text "—" at 12.718,63.751 h5
  text "—" at 61.486,63.751 h5
  text "不短路不断线号" at 48.099,63.031 h3.5
  text "- 黑/蓝" at 27.226,40.142 h3.5 r270
  text "Y" at 46.598,39.561 h5
  text "Z" at 35.453,37.061 h5
  text "X" at 41.487,31.361 h5
  text "+ 白/红" at 27.198,29.871 h3.5 r270
  text "(╯‵□′)╯炸弹！•••*～●" at 30.482,26.738 h3.5 r270
  text "—" at 25.18,17.539 h5
  text "+" at 33.175,17.106 h5
  text "V1.1" at 51.903,14.563 h5
  text "—" at 12.464,10.919 h5
  text "—" at 61.74,10.411 h5
  text "+" at 13.347,8.708 h5
  text "+" at 60.591,7.946 h5
Top Solder:
  lines w0.5: 29,18.9 30,17.1 30,14.8 31.4,12.3 35.544,9.636 ; 48.8,61.2 53.6,61.2 56.4,64 56.4,64.2
Bottom Solder:
  lines w0.5: 12.938,8.62 19.288,11.185 26.078,12.173 30.214,13.414 31.607,14.807 31.607,18.653 31.607,25.003 25.638,30.972 25.638,48.244 32,54.606 32,62.1 ; 12.938,68.31 15.224,66.024 16.476,66.024 20.4,62.1 50.9,62.1 55,66.2 61.957,66.2 62.557,66.8 63.992,68.235 ; 20.3,13.4 29.067,18.653 29.067,25.511 24.368,30.21 24.368,48.752 28.7,53.084 28.7,60.2 ; 27.9,60.3 29.5,60.3 ; 31.953,18.999 34.254,21.3 45.6,21.3 47.6,19.3 52.889,19.3 62.045,10.144 ; 35.544,9.636 56.6,10.8 ; 63.992,8.62 62.679,9.933 62.257,9.933 62.045,10.144 ; 62.045,10.144 62.045,10.144
Mechanical 15:
  circle w0.254: c71,71 r6
  circle w0.254: c6,71 r27.5
  circle w0.254: c71,71 r27.5
  circle w0.254: c6,6 r27.5
  circle w0.254: c71,6 r27.5
  circle w0.254: c6,6 r6
  circle w0.254: c71,6 r6
  circle w0.254: c6,71 r6

## Dimensions
6,6 to 71,6 on Mechanical 15
6,71 to 6,6 on Mechanical 15

## Text inside footprints (layer, text, board x,y; h text height)
U3: Top Overlay "X" at 37.572,45.768 h0.26 r90; Top Overlay "Y" at 38.791,46.987 h0.26 r90; Top Overlay "Z" at 37.394,47.241 h0.26 r90